# Allegro board FPGA.brd (continued)
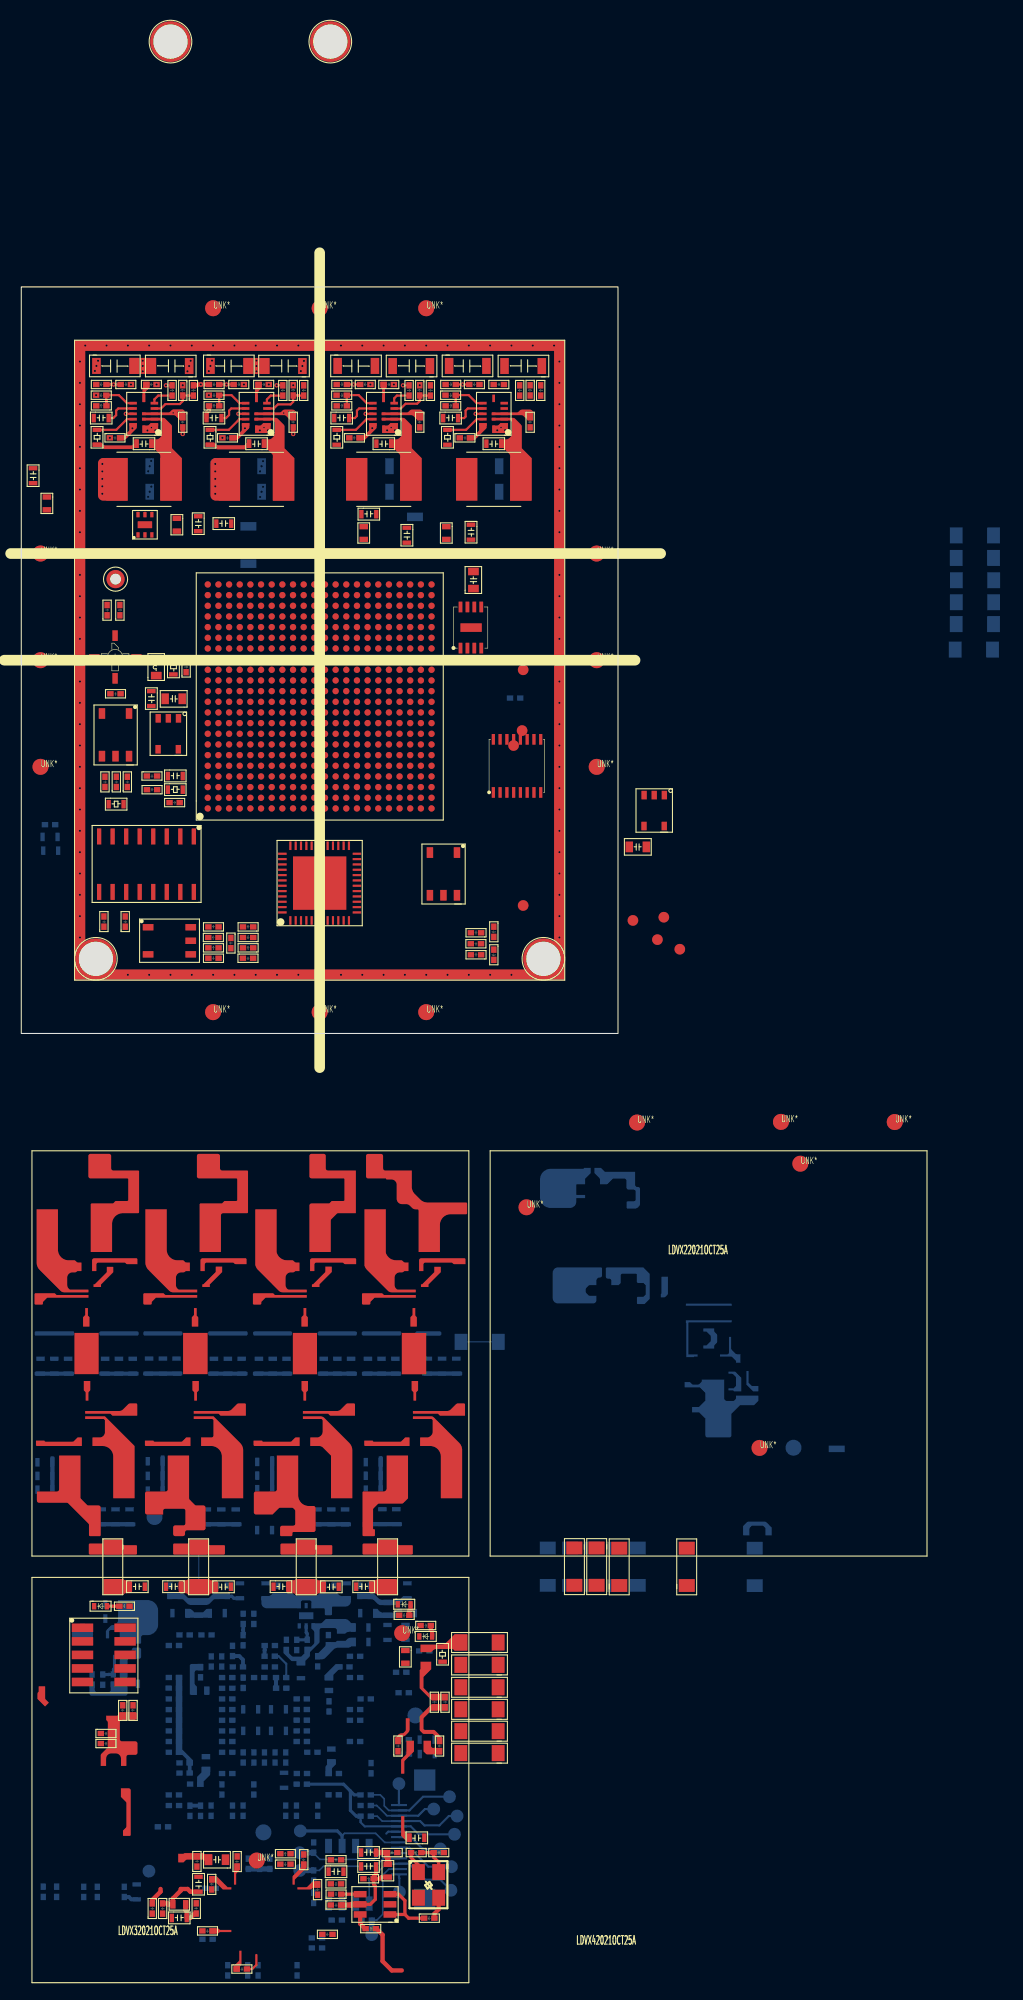
[diagram p0: board, top side]
## Placement (name value [footprint] x y rotation side) (continued)
NOREF#147  -  []  14.81 21.69 90 top
NOREF#148  -  []  35.82 -51.45 90 top
NOREF#149  -  []  15.33 21.26 90 top
NOREF#150  -  []  24.29 -72.85 0 top
NOREF#151  -  []  19.65 -61.82 90 top
NOREF#152  -  []  37.35 -83.34 0 top
NOREF#153  -  []  39.23 -83.34 90 top
NOREF#154  -  []  31.79 -77.69 0 top
NOREF#155  -  []  22.07 -72.47 0 top
NOREF#156  -  []  15.22 -79.76 0 top
NOREF#157  -  []  20.29 -56.87 0 top
NOREF#158  -  []  43.05 42.76 0 top
NOREF#159  -  []  13.79 60.32 90 top
NOREF#160  -  []  17.95 -74.46 90 top
NOREF#161  -  []  34.82 59.68 90 top
NOREF#162  -  []  33.48 -46.1 90 top
NOREF#163  -  []  22.07 -69.46 0 top
NOREF#164  -  []  37.86 58.71 0 top
NOREF#165  -  []  28.47 -61.8 90 top
NOREF#166  -  []  29.27 58.11 0 top
NOREF#167  -  []  13.45 21.26 0 top
NOREF#168  -  []  9.91 -82.06 0 top
NOREF#169  -  []  15.38 -69.99 0 top
NOREF#170  -  []  28.03 -85.27 90 top
NOREF#171  -  []  23.73 -78.79 90 top
NOREF#172  -  []  39.08 -31.99 0 top
NOREF#173  -  []  33.48 -46.1 0 top
NOREF#174  -  []  6.18 -53.93 90 top
NOREF#175  -  []  11.77 -40.52 0 top
NOREF#176  -  []  5.89 58.3 0 top
NOREF#177  -  []  30.42 -55 0 top
NOREF#178  -  []  18.88 57.3 90 top
NOREF#179  -  []  9.78 31.46 90 top
NOREF#180  -  []  25.99 -68.82 90 top
NOREF#181  -  []  26.93 -61.78 90 top
NOREF#182  -  []  18.38 -67.56 0 top
NOREF#183  -  []  30.9 -53.95 90 top
NOREF#184  -  []  30.47 -82.1 90 top
NOREF#185  -  []  43.87 60.46 90 top
NOREF#186  -  []  17.96 -53.19 0 top
NOREF#187  -  []  21.29 -54.87 0 top
NOREF#188  -  []  37.29 -65 0 top
NOREF#189  -  []  33.22 54.89 90 top
NOREF#190  -  []  23.82 7.83 90 top
NOREF#191  -  []  22.95 -78.79 0 top
NOREF#192  -  []  26.12 -78.4 0 top
NOREF#193  -  []  24.86 -60.78 90 top
NOREF#194  -  []  18.96 8.61 90 top
NOREF#195  -  []  35 61.77 0 top
NOREF#196  -  []  11.79 -64 0 top
NOREF#197  -  []  21.83 -77.83 0 top
NOREF#198  -  []  10.43 -80.47 0 top
NOREF#199  -  []  17 -44.52 90 top
NOREF#200  -  []  17.77 54.5 90 top
NOREF#201  -  []  21.94 8.82 0 top
NOREF#202  -  []  30.74 59.68 0 top
NOREF#203  -  []  11.8 33.8 0 top
NOREF#204  -  []  43.87 61.24 0 top
NOREF#205  -  []  10.11 26 90 top
NOREF#206  -  []  35.58 -54.75 90 top
NOREF#207  -  []  45.06 59.68 90 top
NOREF#208  -  []  20.44 -43.14 90 top
NOREF#209  -  []  32.12 -32 90 top
NOREF#210  -  []  6.56 59.46 0 top
NOREF#211  -  []  11.77 -41.89 0 top
NOREF#212  -  []  29.13 59.46 0 top
NOREF#213  -  []  41.09 47.72 90 top
NOREF#214  -  []  33.55 61.24 0 top
NOREF#215  -  []  40.5 -67.96 90 top
NOREF#216  -  []  31.5 17.6 0 top
NOREF#217  -  []  28.03 -85.27 0 top
NOREF#218  -  []  18.38 -65.56 0 top
NOREF#219  -  []  8.44 59.46 90 top
NOREF#220  -  []  34.78 -46.1 0 top
NOREF#221  -  []  33.26 -73.56 90 top
NOREF#222  -  []  33.73 -84.32 90 top
NOREF#223  -  []  10.75 33.71 0 top
NOREF#224  -  []  25.39 -68.99 90 top
NOREF#225  -  []  19.31 -52.26 90 top
NOREF#226  -  []  33.39 -77.2 90 top
NOREF#227  -  []  10.34 -54.87 0 top
NOREF#228  -  []  20.79 -54.75 90 top
NOREF#229  -  []  17.67 -28.8 0 top
NOREF#230  -  []  33.39 -78.5 90 top
NOREF#231  -  []  15.63 -82.05 90 top
NOREF#232  -  []  25.05 -61.78 0 top
NOREF#233  -  []  19.17 -72.85 90 top
NOREF#234  -  []  11.58 -31.99 90 top
NOREF#235  -  []  38 -77.19 90 top
NOREF#236  -  []  8.1 21.91 0 top
NOREF#237  -  []  11.78 -62.78 90 top
NOREF#238  -  []  -0.18 -43.18 0 top
NOREF#239  -  []  20.77 -45.33 90 top
NOREF#240  -  []  48.12 58.71 90 top
NOREF#241  -  []  16.43 -58.95 0 top
NOREF#242  -  []  29.75 -51.59 90 top
NOREF#243  -  []  1.53 -80.46 0 top
NOREF#244  -  []  36.23 -54.75 90 top
NOREF#245  -  []  48.01 60.32 0 top
NOREF#246  -  []  4.66 -80.46 90 top
NOREF#247  -  []  29.84 63.4 0 top
NOREF#248  -  []  20.26 -61.56 90 top
NOREF#249  -  []  22.52 -51.45 90 top
NOREF#250  -  []  18.94 -53.19 0 top
NOREF#251  -  []  20.85 -88.78 90 top
NOREF#252  -  []  29.38 -59.78 0 top
NOREF#253  -  []  18.98 -86.9 0 top
NOREF#254  -  []  12.22 -54.87 90 top
NOREF#255  -  []  27.39 -42.92 0 top
NOREF#256  -  []  18.38 -64.56 0 top
NOREF#257  -  []  33.49 -59.06 90 top
NOREF#258  -  []  25.89 58.71 90 top
NOREF#259  -  []  15.62 58.71 0 top
NOREF#260  -  []  11.9 9.96 0 top
NOREF#261  -  []  28.47 -61.8 0 top
NOREF#262  -  []  32.43 -66.35 0 top
NOREF#263  -  []  20.27 -32 0 top
NOREF#264  -  []  20.33 6.66 0 top
NOREF#265  -  []  19.92 8.5 0 top
NOREF#266  -  []  2 51.3 0 top
NOREF#267  -  []  23.82 8.82 90 top
NOREF#268  -  []  28.86 -64.78 90 top
NOREF#269  -  []  38.72 -68.39 0 top
NOREF#270  -  []  15.73 -79.8 0 top
NOREF#271  -  []  11.9 46.8 90 top
NOREF#272  -  []  35.65 -53.75 0 top
NOREF#273  -  []  32.08 -81.87 90 top
NOREF#274  -  []  27.26 -71.56 90 top
NOREF#275  -  []  3.98 -31.99 90 top
NOREF#276  -  []  18.98 -32 0 top
NOREF#277  -  []  39.52 -75.01 90 top
NOREF#278  -  []  21.27 54.89 90 top
NOREF#279  -  []  2.68 -31.99 90 top
NOREF#280  -  []  28.59 -82.1 0 top
NOREF#281  -  []  39.94 -58.19 0 top
NOREF#282  -  []  23.17 -54.87 90 top
NOREF#283  -  []  23.63 -46.97 90 top
NOREF#284  -  []  64.05 22.5 90 top
NOREF#285  -  []  41.5 52.4 90 top
NOREF#286  -  []  9.26 -82.06 90 top
NOREF#287  -  []  40.89 12.96 90 top
NOREF#288  -  []  7.66 40.63 0 top
NOREF#289  -  []  38.35 12.96 0 top
NOREF#290  -  []  33.86 -63.78 90 top
NOREF#291  -  []  16.78 -67.78 90 top
NOREF#292  -  []  5.1 18.03 90 top
NOREF#293  -  []  25.77 60.32 0 top
NOREF#294  -  []  33.83 -42.37 90 top
NOREF#295  -  []  23.93 -63.77 90 top
NOREF#296  -  []  40.69 55.46 0 top
NOREF#297  -  []  19.2 54 0 top
NOREF#298  -  []  42.84 59.68 90 top
NOREF#299  -  []  43.33 6.21 0 top
NOREF#300  -  []  8.44 38.75 90 top
NOREF#301  -  []  16.65 -59.82 90 top
NOREF#302  -  []  28.7 -70.1 0 top
NOREF#303  -  []  60.34 19.45 90 top
NOREF#304  -  []  21.73 -63.78 0 top
NOREF#305  -  []  19.2 50 90 top
NOREF#306  -  []  40.3 63.4 0 top
NOREF#307  -  []  26.81 -85.19 90 top
NOREF#308  -  []  23.93 -65.79 90 top
NOREF#309  -  []  13.48 -51.47 0 top
NOREF#310  -  []  7.9 31.46 0 top
NOREF#311  -  []  39.49 58.11 0 top
NOREF#312  -  []  28.86 -66.78 90 top
NOREF#313  -  []  31.65 -79.64 0 top
NOREF#314  -  []  41.09 57.3 90 top
NOREF#315  -  []  25.13 56.37 90 top
NOREF#316  -  []  16.07 -74.46 0 top
NOREF#317  -  []  32.68 -59.06 0 top
NOREF#318  -  []  7 -66.97 0 top
NOREF#319  -  []  18.69 8.82 0 top
NOREF#320  -  []  39.08 -31.99 90 top
NOREF#321  -  []  14.38 -69.56 0 top
NOREF#322  -  []  13.38 -58.56 0 top
NOREF#323  -  []  25.21 -66.94 0 top
NOREF#324  -  []  17.86 -56.78 90 top
NOREF#325  -  []  11.77 -61.77 90 top
NOREF#326  -  []  31.98 -66.78 0 top
NOREF#327  -  []  10.3 49.2 90 top
NOREF#328  -  []  3.98 -31.99 0 top
NOREF#329  -  []  26.98 -65.78 0 top
NOREF#330  -  []  33.4 -32 90 top
NOREF#331  -  []  30.55 -82.38 0 top
NOREF#332  -  []  32.94 59.68 0 top
NOREF#333  -  []  21.36 -76.85 90 top
NOREF#334  -  []  12.64 -61.38 90 top
NOREF#335  -  []  23.18 -30.4 90 top
NOREF#336  -  []  16.43 -75.42 90 top
NOREF#337  -  []  10.56 -42.92 0 top
NOREF#338  -  []  27.53 -63.11 0 top
NOREF#339  -  []  31.98 -64.78 0 top
NOREF#340  -  []  29.07 -56.3 0 top
NOREF#341  -  []  22.21 6.66 90 top
NOREF#342  -  []  41.23 59.46 90 top
NOREF#343  -  []  46.47 9.55 90 top
NOREF#344  -  []  50.09 58.71 90 top
NOREF#345  -  []  25.29 -72.85 0 top
NOREF#346  -  []  30.32 55.46 0 top
NOREF#347  -  []  22.52 -49.85 0 top
NOREF#348  -  []  26.81 -85.19 0 top
NOREF#349  -  []  10.09 -51.47 0 top
NOREF#350  -  []  13.52 -70.04 0 top
NOREF#351  -  []  14.76 56.37 0 top
NOREF#352  -  []  32.17 -46.1 90 top
NOREF#353  -  []  8.17 59.68 0 top
NOREF#354  -  []  19.8 47.4 90 top
NOREF#355  -  []  23.85 -77.3 0 top
NOREF#356  -  []  11.79 -65 0 top
NOREF#357  -  []  23.07 -69.46 0 top
NOREF#358  -  []  14.94 32.78 0 top
NOREF#359  -  []  24.07 -69.46 0 top
NOREF#360  -  []  8.88 -66.03 90 top
NOREF#361  -  []  2.78 -80.46 0 top
NOREF#362  -  []  32.23 -41.56 0 top
NOREF#363  -  []  13.37 -41.89 90 top
NOREF#364  -  []  43.18 59.68 0 top
NOREF#365  -  []  27.99 -49.71 0 top
NOREF#366  -  []  37.72 20.67 0 top
NOREF#367  -  []  19.76 -88.11 0 top
NOREF#368  -  []  0 70 0 top
NOREF#369  -  []  11.04 -60.57 0 top
NOREF#370  -  []  20.27 -32 90 top
NOREF#371  -  []  16.58 -55.04 0 top
NOREF#372  -  []  18.75 -53.19 90 top
NOREF#373  -  []  13.65 24.55 0 top
NOREF#374  -  []  47.37 56.37 90 top
NOREF#375  -  []  19.71 -44.52 90 top
NOREF#376  -  []  27.41 -79.33 0 top
NOREF#377  -  []  24.25 -69.22 90 top
NOREF#378  -  []  4 4 90 top
NOREF#379  -  []  33.34 47.72 90 top
NOREF#380  -  []  33.53 -79.64 90 top
NOREF#381  -  []  34.95 -83.53 90 top
NOREF#382  -  []  41.54 -59 90 top
NOREF#383  -  []  8.08 37.15 90 top
NOREF#384  -  []  26.98 -66.78 0 top
NOREF#385  -  []  43.55 54.89 90 top
NOREF#386  -  []  34 -76.9 0 top
NOREF#387  -  []  33.35 -65.82 0 top
NOREF#388  -  []  8.88 -66.97 90 top
NOREF#389  -  []  13.65 23.27 0 top
NOREF#390  -  []  18.11 55.1 90 top
NOREF#391  -  []  14.34 -51.59 90 top
NOREF#392  -  []  15.25 22.46 90 top
NOREF#393  -  []  22.37 -59.55 0 top
NOREF#394  -  []  26.66 -62.15 90 top
NOREF#395  -  []  33.26 -74.56 90 top
NOREF#396  -  []  17.14 59.46 0 top
NOREF#397  -  []  20.5 44.2 90 top
NOREF#398  -  []  33.97 -58.56 0 top
NOREF#399  -  []  20.07 -59.48 0 top
NOREF#400  -  []  18.18 -52.29 0 top
NOREF#401  -  []  25.38 -71.56 0 top
NOREF#402  -  []  4 66 0 top
NOREF#403  -  []  34.82 -68.39 0 top
NOREF#404  -  []  10.05 59.68 90 top
NOREF#405  -  []  35.6 -77.7 90 top
NOREF#406  -  []  24.7 -49.71 0 top
NOREF#407  -  []  15.98 -56.78 0 top
NOREF#408  -  []  8.44 -42.92 0 top
NOREF#409  -  []  5 65 0 top
NOREF#410  -  []  23.72 -49.71 0 top
NOREF#411  -  []  10.05 -31.99 90 top
NOREF#412  -  []  15.47 35.17 90 top
NOREF#413  -  []  30.2 -81.87 0 top
NOREF#414  -  []  14.98 -60.78 0 top
NOREF#415  -  []  45.21 6.21 90 top
NOREF#416  -  []  8.08 37.15 0 top
NOREF#417  -  []  21.81 60.46 90 top
NOREF#418  -  []  14.94 -85.32 90 top
NOREF#419  -  []  27.01 -58.91 90 top
NOREF#420  -  []  13.37 -40.52 90 top
NOREF#421  -  []  21.68 -77.19 90 top
NOREF#422  -  []  27.65 60.32 90 top
NOREF#423  -  []  14.61 -83.62 90 top
NOREF#424  -  []  30.63 -41.88 0 top
NOREF#425  -  []  20.85 -86.9 0 top
NOREF#426  -  []  10.26 22.01 90 top
NOREF#427  -  []  21.8 8.5 90 top
NOREF#428  -  []  26.98 -64.78 0 top
NOREF#429  -  []  46.47 7.4 90 top
NOREF#430  -  []  11.78 -63.78 90 top
NOREF#431  -  []  9.77 -63.45 0 top
NOREF#432  -  []  39.48 48.52 0 top
NOREF#433  -  []  38.89 -65.81 90 top
NOREF#434  -  []  28.86 -62.78 90 top
NOREF#435  -  []  25.73 -78.28 90 top
NOREF#436  -  []  16.78 -62.78 90 top
NOREF#437  -  []  20.26 -62.56 90 top
NOREF#438  -  []  13.37 -43.28 90 top
NOREF#439  -  []  6.18 -53.93 0 top
NOREF#440  -  []  28.39 -69.77 90 top
NOREF#441  -  []  34.78 -46.1 90 top
NOREF#442  -  []  26.98 -62.78 0 top
NOREF#443  -  []  14.16 -31.99 0 top
NOREF#444  -  []  17.64 -59.82 90 top
NOREF#445  -  []  19.31 -52.26 0 top
NOREF#446  -  []  21.1 61.8 90 top
NOREF#447  -  []  3.41 -80.46 90 top
NOREF#448  -  []  14.35 -73.74 0 top
NOREF#449  -  []  19.72 -53.19 90 top
NOREF#450  -  []  6.9 -62.16 0 top
NOREF#451  -  []  41.5 54 0 top
NOREF#452  -  []  11.79 -82.06 90 top
NOREF#453  -  []  37.35 -77.97 90 top
NOREF#454  -  []  43.33 8.27 0 top
NOREF#455  -  []  15.26 -58.56 90 top
NOREF#456  -  []  21.94 7.83 0 top
NOREF#457  -  []  33.86 -64.78 90 top
NOREF#458  -  []  15.95 -79.21 0 top
NOREF#459  -  []  18.55 -82.02 90 top
NOREF#460  -  []  25.86 -57.78 90 top
NOREF#461  -  []  27.53 -63.89 90 top
NOREF#462  -  []  6.11 -82.06 0 top
NOREF#463  -  []  17.9 63.4 0 top
NOREF#464  -  []  34.7 -32 90 top
NOREF#465  -  []  31.27 -85.64 90 top
NOREF#466  -  []  23.57 -51.47 0 top
NOREF#467  -  []  48.22 58.71 0 top
NOREF#468  -  []  19.38 -60.55 0 top
NOREF#469  -  []  22.17 -54.87 90 top
NOREF#470  -  []  28.3 -52.29 90 top
NOREF#471  -  []  22.03 -46.97 0 top
NOREF#472  -  []  27.43 -56.33 0 top
NOREF#473  -  []  16.93 -70.81 0 top
NOREF#474  -  []  27.29 -72.85 0 top
NOREF#475  -  []  17.5 58.71 90 top
NOREF#476  -  []  26.12 -78.4 90 top
NOREF#477  -  []  27.97 -32 90 top
NOREF#478  -  []  12.62 -63.45 90 top
NOREF#479  -  []  38.23 -64.28 0 top
NOREF#480  -  []  38.89 -55.9 90 top
NOREF#481  -  []  37.92 -74.2 0 top
NOREF#482  -  []  28.3 -52.29 0 top
NOREF#483  -  []  25.32 -61.56 90 top
NOREF#484  -  []  20.44 -40.58 0 top
NOREF#485  -  []  11.79 -66.78 90 top
NOREF#486  -  []  33.04 61.8 90 top
NOREF#487  -  []  18.75 57.68 0 top
NOREF#488  -  []  7.32 22.01 0 top
NOREF#489  -  []  31.01 59.46 90 top
NOREF#490  -  []  8.44 -44.52 90 top
NOREF#491  -  []  25.17 -52.28 90 top
NOREF#492  -  []  32.62 57.68 90 top
NOREF#493  -  []  21.95 -59.48 90 top
NOREF#494  -  []  15.9 7.42 90 top
NOREF#495  -  []  31.85 -84.32 0 top
NOREF#496  -  []  17.83 -78.97 90 top
NOREF#497  -  []  22.95 -69.46 90 top
NOREF#498  -  []  28.18 -57.3 90 top
NOREF#499  -  []  9.99 -60.55 90 top
NOREF#500  -  []  11.77 -60.99 0 top
NOREF#501  -  []  20.9 -75.31 0 top
NOREF#502  -  []  13.27 -53.95 90 top
NOREF#503  -  []  21.83 -90.38 0 top
NOREF#504  -  []  22.33 -64.98 0 top
NOREF#505  -  []  28.74 -78.19 0 top
NOREF#506  -  []  -0.18 -43.18 90 top
NOREF#507  -  []  7.14 -42.92 0 top
NOREF#508  -  []  17.08 8.61 0 top
NOREF#509  -  []  33.21 -68.23 90 top
NOREF#510  -  []  15.35 32.9 0 top
NOREF#511  -  []  16.86 -60.78 90 top
NOREF#512  -  []  14.2 49.3 0 top
NOREF#513  -  []  28.77 -51.59 90 top
NOREF#514  -  []  11.78 -63 0 top
NOREF#515  -  []  3.6 50.5 90 top
NOREF#516  -  []  25.95 -69.46 90 top
NOREF#517  -  []  8.75 -31.99 90 top
NOREF#518  -  []  35.82 -49.85 0 top
NOREF#519  -  []  31.2 50 90 top
NOREF#520  -  []  15.22 -80.54 90 top
NOREF#521  -  []  37.73 45.09 90 top
NOREF#522  -  []  36.59 47.52 90 top
NOREF#523  -  []  14.41 -62.02 0 top
NOREF#524  -  []  29.2 55.1 0 top
NOREF#525  -  []  33.4 -32 0 top
NOREF#526  -  []  32.17 -46.1 0 top
NOREF#527  -  []  13.27 -52.35 0 top
NOREF#528  -  []  27.05 -83.58 0 top
NOREF#529  -  []  20.44 -41.86 90 top
NOREF#530  -  []  47.37 56.37 0 top
NOREF#531  -  []  14 93 0 top
NOREF#532  -  []  9.42 22.01 0 top
NOREF#533  -  []  32.36 -49.71 0 top
NOREF#534  -  []  32.12 -32 0 top
NOREF#535  -  []  40.11 -64.28 90 top
NOREF#536  -  []  27.97 -32 0 top
NOREF#537  -  []  35.47 -77.97 0 top
NOREF#538  -  []  15.25 23.74 90 top
NOREF#539  -  []  30.63 -40.61 0 top
NOREF#540  -  []  29.5 -70.1 90 top
NOREF#541  -  []  16.53 -84.53 0 top
NOREF#542  -  []  41.11 -64.28 90 top
NOREF#543  -  []  20.63 59.68 90 top
NOREF#544  -  []  17.77 54.5 0 top
NOREF#545  -  []  28.19 -81.21 90 top
NOREF#546  -  []  24.48 -30.4 90 top
NOREF#547  -  []  15.29 33.36 90 top
NOREF#548  -  []  10.47 59.68 0 top
NOREF#549  -  []  24.95 -69.46 90 top
NOREF#550  -  []  31.38 -73.56 0 top
NOREF#551  -  []  34.86 -62.78 90 top
NOREF#552  -  []  15.73 -80.58 90 top
NOREF#553  -  []  25.13 56.37 0 top
NOREF#554  -  []  13.29 34.61 0 top
NOREF#555  -  []  21.73 -63.78 90 top
NOREF#556  -  []  1.42 -41.89 0 top
NOREF#557  -  []  22.95 59.68 90 top
NOREF#558  -  []  12.49 -73.03 0 top
NOREF#559  -  []  43.4 47.8 90 top
NOREF#560  -  []  11.69 -52.28 90 top
NOREF#561  -  []  31.2 52.4 90 top
NOREF#562  -  []  40.4 55.1 90 top
NOREF#563  -  []  11.9 49.2 90 top
NOREF#564  -  []  13.56 -49.71 0 top
NOREF#565  -  []  5 5 90 top
NOREF#566  -  []  27.39 -44.52 90 top
NOREF#567  -  []  10.74 -63.45 0 top
NOREF#568  -  []  31.81 49.1 0 top
NOREF#569  -  []  23.85 -78.28 0 top
NOREF#570  -  []  11.79 -64.78 90 top
NOREF#571  -  []  7.99 -82.06 90 top
NOREF#572  -  []  60.95 25.7 0 top
NOREF#573  -  []  29.25 -28.8 0 top
NOREF#574  -  []  33.14 -51.59 90 top
NOREF#575  -  []  30.34 -79 90 top
NOREF#576  -  []  16.43 -60.83 90 top
NOREF#577  -  []  8.14 9.55 90 top
NOREF#578  -  []  5.89 56.7 90 top
NOREF#579  -  []  34.04 -57.65 90 top
NOREF#580  -  []  21.64 -88.11 90 top
NOREF#581  -  []  30.47 -80.12 90 top
NOREF#582  -  []  59.4 22.35 0 top
NOREF#583  -  []  6.7 58.11 0 top
NOREF#584  -  []  17.05 -52.34 0 top
NOREF#585  -  []  14.51 -49.71 0 top
NOREF#586  -  []  31.39 -49.71 0 top
NOREF#587  -  []  36.88 -56.72 0 top
NOREF#588  -  []  39.51 -2.9 90 top
NOREF#589  -  []  6.18 -55.27 90 top
NOREF#590  -  []  48.7 61.77 90 top
NOREF#591  -  []  1.42 -40.61 0 top
NOREF#592  -  []  12.88 -31.99 90 top
NOREF#593  -  []  18.2 48.21 0 top
NOREF#594  -  []  20.57 6.86 90 top
NOREF#595  -  []  39.52 60.32 90 top
NOREF#596  -  []  12.88 -31.99 0 top
NOREF#597  -  []  31.74 48.52 0 top
NOREF#598  -  []  18.38 -61.56 0 top
NOREF#599  -  []  36.59 -60.28 90 top
NOREF#600  -  []  32.98 -62.78 0 top
NOREF#601  -  []  36.87 -54.94 90 top
NOREF#602  -  []  29.97 -44.52 90 top
NOREF#603  -  []  13.2 23.75 90 top
NOREF#604  -  []  30.01 55.1 90 top
NOREF#605  -  []  23.71 -77.83 90 top
NOREF#606  -  []  21.26 -60.55 90 top
NOREF#607  -  []  32.12 -56.26 0 top
NOREF#608  -  []  28.6 -77.86 0 top
NOREF#609  -  []  13.12 54.1 90 top
NOREF#610  -  []  25.49 -90.38 90 top
NOREF#611  -  []  32.68 -55.29 0 top
NOREF#612  -  []  11.79 -66 0 top
NOREF#613  -  []  34.04 -56.85 0 top
NOREF#614  -  []  19.2 51.6 0 top
NOREF#615  -  []  38.2 61.77 90 top
NOREF#616  -  []  17.28 60.32 90 top
NOREF#617  -  []  31.2 51.6 0 top
NOREF#618  -  []  49.88 60.32 90 top
NOREF#619  -  []  23.95 -69.46 90 top
NOREF#620  -  []  30.95 -56.3 90 top
NOREF#621  -  []  21.73 -65.8 0 top
NOREF#622  -  []  11.77 -43.28 0 top
NOREF#623  -  []  20.63 57.68 90 top
NOREF#624  -  []  16.51 20.1 0 top
NOREF#625  -  []  7 -66.03 0 top
NOREF#626  -  []  3.02 -41.89 90 top
NOREF#627  -  []  26.98 -63.78 0 top
NOREF#628  -  []  25.39 -68.21 0 top
NOREF#629  -  []  8.75 -31.99 0 top
NOREF#630  -  []  22.17 -56.87 90 top
NOREF#631  -  []  32.65 -81.58 90 top
NOREF#632  -  []  14.03 -82.52 0 top
NOREF#633  -  []  41.5 50 90 top
NOREF#634  -  []  27.98 -58.91 90 top
NOREF#635  -  []  7.85 55.46 0 top
NOREF#636  -  []  33.07 -83.53 0 top
NOREF#637  -  []  30.48 -77.86 90 top
NOREF#638  -  []  29.86 -67.78 90 top
NOREF#639  -  []  14.52 -67.99 0 top
NOREF#640  -  []  25.86 -59.78 90 top
NOREF#641  -  []  30.29 -86.13 90 top
NOREF#642  -  []  22.17 -72.85 90 top
NOREF#643  -  []  7.36 11.43 90 top
NOREF#644  -  []  14.94 -84.54 0 top
NOREF#645  -  []  16.67 -82.02 0 top
NOREF#646  -  []  15.81 10.6 90 top
NOREF#647  -  []  16.78 -65 0 top
NOREF#648  -  []  24.25 -59.55 90 top
NOREF#649  -  []  35.65 -55.35 90 top
NOREF#650  -  []  17.83 -79.21 90 top
NOREF#651  -  []  33.55 60.46 90 top
NOREF#652  -  []  20.26 -64.56 90 top
NOREF#653  -  []  8.17 57.68 0 top
NOREF#654  -  []  3.5 18.84 0 top
NOREF#655  -  []  21.94 6.86 0 top
NOREF#656  -  []  44.59 9.55 0 top
NOREF#657  -  []  28.86 -63.78 90 top
NOREF#658  -  []  11.3 22.01 90 top
NOREF#659  -  []  34.95 -62.98 0 top
NOREF#660  -  []  56.86 18.12 0 top
NOREF#661  -  []  18.43 -73.42 90 top
NOREF#662  -  []  16.78 -62 0 top
NOREF#663  -  []  28.59 -80.12 0 top
NOREF#664  -  []  21.83 -90.38 90 top
NOREF#665  -  []  34.99 -54.94 0 top
NOREF#666  -  []  29.25 -30.4 90 top
NOREF#667  -  []  30.9 -52.35 0 top
NOREF#668  -  []  19.65 -61.82 0 top
NOREF#669  -  []  11.79 -65.78 90 top
NOREF#670  -  []  42.84 57.68 90 top
NOREF#671  -  []  12.35 59.68 90 top
NOREF#672  -  []  16.43 -75.42 0 top
NOREF#673  -  []  41.72 -77.97 90 top
NOREF#674  -  []  9.77 -62.16 90 top
NOREF#675  -  []  45.41 31.06 0 top
NOREF#676  -  []  15.63 -83.33 90 top
NOREF#677  -  []  40.6 -68.39 90 top
NOREF#678  -  []  18.41 -84.53 90 top
NOREF#679  -  []  15.4 60.32 0 top
NOREF#680  -  []  24.01 58.71 0 top
NOREF#681  -  []  11.32 23.75 0 top
NOREF#682  -  []  45.21 8.27 90 top
NOREF#683  -  []  22.98 -60.78 0 top
NOREF#684  -  []  29.38 -59.78 90 top
NOREF#685  -  []  39.84 -77.97 0 top
NOREF#686  -  []  14.76 56.37 90 top
NOREF#687  -  []  16.55 30 90 top
NOREF#688  -  []  25.48 -51.59 90 top
NOREF#689  -  []  27.65 -57.83 0 top
NOREF#690  -  []  33.86 -60.78 90 top
NOREF#691  -  []  20.44 -40.58 90 top
NOREF#692  -  []  34.78 -58.56 90 top
NOREF#693  -  []  32.62 59.68 90 top
NOREF#694  -  []  13.62 58.71 0 top
NOREF#695  -  []  14.16 -31.99 90 top
NOREF#696  -  []  33.22 54.89 0 top
NOREF#697  -  []  23.18 -28.8 0 top
NOREF#698  -  []  7 7 90 top
NOREF#699  -  []  30.12 -51.45 90 top
NOREF#700  -  []  9.87 -31.2 90 top
NOREF#701  -  []  30.87 57.3 90 top
NOREF#702  -  []  10.05 57.68 90 top
NOREF#703  -  []  13.64 -83.62 90 top
NOREF#704  -  []  41.8 48.61 0 top
NOREF#705  -  []  16.78 -65.78 90 top
NOREF#706  -  []  1.39 -31.99 0 top
NOREF#707  -  []  30.54 -28.8 0 top
NOREF#708  -  []  18.38 -62.56 0 top
NOREF#709  -  []  32.2 55.46 90 top
NOREF#710  -  []  17.64 -59.82 0 top
NOREF#711  -  []  20.26 -67.56 90 top
NOREF#712  -  []  12.03 -81.28 90 top
NOREF#713  -  []  26.3 -57.3 0 top
NOREF#714  -  []  21.89 -28.8 0 top
NOREF#715  -  []  16.65 -59.82 0 top
NOREF#716  -  []  38.44 -67.95 90 top
NOREF#717  -  []  24.25 -67.62 0 top
NOREF#718  -  []  21.07 -69.46 0 top
NOREF#719  -  []  19.71 -42.92 0 top
NOREF#720  -  []  9.73 55.46 90 top
NOREF#721  -  []  18.69 5.88 0 top
NOREF#722  -  []  39.59 55.1 0 top
NOREF#723  -  []  26.1 -58.91 0 top
NOREF#724  -  []  31.79 -76.39 0 top
NOREF#725  -  []  19.02 59.46 90 top
NOREF#726  -  []  16.23 -78.16 0 top
NOREF#727  -  []  43.55 54.89 0 top
NOREF#728  -  []  30.74 57.68 0 top
NOREF#729  -  []  21.81 61.24 0 top
NOREF#730  -  []  21.17 -72.85 90 top
NOREF#731  -  []  15.8 48.5 90 top
NOREF#732  -  []  18.43 -73.42 0 top
NOREF#733  -  []  11.65 -63.45 90 top
NOREF#734  -  []  19.29 -72.85 0 top
NOREF#735  -  []  36.97 -75.7 0 top
NOREF#736  -  []  18.18 -52.29 90 top
NOREF#737  -  []  28.21 -58.21 90 top
NOREF#738  -  []  5.16 16.74 90 top
NOREF#739  -  []  14.56 29.9 90 top
NOREF#740  -  []  25.49 -90.38 0 top
NOREF#741  -  []  33.35 -66.6 90 top
NOREF#742  -  []  7.38 -82.06 0 top
NOREF#743  -  []  17.26 -70.77 90 top
NOREF#744  -  []  27.98 -67.78 0 top
NOREF#745  -  []  33.98 -53.95 0 top
NOREF#746  -  []  15.29 -51.59 90 top
NOREF#747  -  []  8.78 -62.16 90 top
NOREF#748  -  []  31.38 -72.56 0 top
NOREF#749  -  []  25.73 -77.3 90 top
NOREF#750  -  []  14.3 -71.92 90 top
NOREF#751  -  []  30.63 -40.61 90 top
NOREF#752  -  []  26.91 -78.93 0 top
NOREF#753  -  []  12.61 32.2 90 top
NOREF#754  -  []  13.8 29.55 0 top
NOREF#755  -  []  6.18 -55.27 0 top
NOREF#756  -  []  17.73 -70.81 90 top
NOREF#757  -  []  20.57 5.88 90 top
NOREF#758  -  []  37.01 -55.9 0 top
NOREF#759  -  []  16.82 32.78 90 top
NOREF#760  -  []  23.44 -61.56 0 top
NOREF#761  -  []  24.48 -28.8 0 top
NOREF#762  -  []  45.5 61.77 0 top
NOREF#763  -  []  28.68 -44.52 90 top
NOREF#764  -  []  16.26 -69.56 90 top
NOREF#765  -  []  3.56 17.55 0 top
NOREF#766  -  []  16.2 49.41 0 top
NOREF#767  -  []  43.5 61.8 90 top
NOREF#768  -  []  36.83 -62.98 90 top
NOREF#769  -  []  20.29 -54.87 0 top
NOREF#770  -  []  33.86 -66.78 90 top
NOREF#771  -  []  14.41 -62.02 90 top
NOREF#772  -  []  17.29 -72.85 0 top
NOREF#773  -  []  7.2 63.4 0 top
NOREF#774  -  []  41.5 51.6 0 top
NOREF#775  -  []  38.5 10.6 90 top
NOREF#776  -  []  37.64 60.32 0 top
NOREF#777  -  []  33.26 -72.56 90 top
NOREF#778  -  []  10.4 61.8 90 top
NOREF#779  -  []  15.6 61.77 90 top
NOREF#780  -  []  26.23 61.77 90 top
NOREF#781  -  []  28.79 -78.93 90 top
NOREF#782  -  []  13.28 -74.91 90 top
NOREF#783  -  []  12 14.41 0 top
NOREF#784  -  []  20.26 -70.56 90 top
R49  100K  [R0402]  8 61.1 180 top
R50  DNP  [R0402]  10.3 61.1 180 top
R51  100K  [R0402]  18.58 61.1 180 top
R52  DNP  [R0402]  20.9 61.1 180 top
R53  100K  [R0402]  30.57 61.1 180 top
R54  DNP  [R0402]  32.77 61.1 180 top
R55  100K  [R0402]  40.79 61.1 180 top
R56  DNP  [R0402]  43.01 61.1 180 top
R57  100K  [R0402]  14.4 59.8 90 top
R58  787K  [R0402]  14.9 60.79 270 top
R59  DNP  [R0402]  16.4 59.8 90 top
R60  100K  [R0402]  24.79 59.8 90 top
R61  499K  [R0402]  25.27 60.79 270 top
R62  DNP  [R0402]  26.75 59.8 90 top
R63  100K  [R0402]  36.65 59.8 90 top
R64  180K  [R0402]  37.14 60.79 270 top
R65  DNP  [R0402]  38.64 59.8 90 top
R66  100K  [R0402]  47.02 59.8 90 top
R67  180K  [R0402]  47.51 60.79 270 top
R68  DNP  [R0402]  48.99 59.8 90 top
R69  40.2K  [R0402]  7.01 59.6 0 top
R70  40.2K  [R0402]  17.59 59.6 0 top
R71  40.2K  [R0402]  29.58 59.6 0 top
R72  40.2K  [R0402]  39.8 59.6 0 top
R75  294K  [R0402]  8 59.1 180 top
R76  182K  [R0402]  18.58 59.1 180 top
R77  127K  [R0402]  30.57 59.1 180 top
R78  40.2K  [R0402]  40.79 59.1 180 top
R86  0  [R0603]  6.7 56.7 270 top
R87  0  [R0603]  17.3 56.7 270 top
R88  0  [R0603]  29.2 56.7 270 top
R89  0  [R0603]  39.59 56.7 270 top
R115  0  [R1206]  51.1 -48.39 270 top
R116  0  [R1206]  53.19 -48.39 270 top
R117  0  [R1206]  56.92 -51.61 90 top
R120  DNP  [R1206]  63.25 -51.61 90 top
R129  0  [R1206]  7.78 -48.4 270 top
R130  0  [R1206]  15.84 -48.4 270 top
R131  0  [R1206]  25.93 -48.4 270 top
R132  0  [R1206]  33.57 -48.4 270 top
R133  1K  [R0402]  10.17 -53.45 180 top
R136  1K  [R0402]  35.44 -54.8 0 top
R137  1K  [R0402]  37.46 -55.76 0 top
R138  DNP  [R1206]  44.6 -56.3 180 top
R139  10K  [R0603]  39.94 -59 90 top
R141  0  [R1206]  44.6 -58.4 180 top
R142  49.9  [R0402]  9.5 39.2 90 top
R143  0  [R1206]  44.6 -60.5 180 top
R146  10K  [R0402]  39.01 -63.19 90 top
R147  0  [R1206]  44.6 -62.56 180 top
R148  39  [R0603]  13.87 35.17 270 top
R149  0  [R1206]  44.6 -64.61 180 top
R151  5.1K  [R0402]  39.5 -67.3 90 top
R152  DNP  [R1206]  44.6 -66.67 180 top
R161  10  [R0603]  13.65 22.46 0 top
R162  51  [R0603]  8.1 21.1 0 top
R166  1K  [R0402]  36.57 -77.05 0 top
R167  100  [R0402]  24.3 -77.16 0 top
R169  100  [R0402]  24.3 -78.14 0 top
R174  25  [R0402]  29.04 -79.98 0 top
R177  100  [R0402]  30.03 -80.45 180 top
R185  33  [R0402]  37.8 -83.2 0 top
R188  100  [R0402]  32.3 -84.18 0 top
R191  49.9  [R0402]  44.09 10.02 270 top
R192  33  [R0402]  43.16 9.69 180 top
R193  DNP  [R0402]  17.53 8.75 0 top
R194  33  [R0402]  21.77 9.25 180 top
R195  DNP  [R0402]  18.52 8.28 180 top
R196  33  [R0402]  21.77 8.28 180 top
R197  33  [R0402]  43.16 7.63 180 top
R198  49.9  [R0402]  44.09 7.87 270 top
R231  0  [R1206]  44.62 -29.71 180 bottom
R281  DNP  [R1206]  68.03 -51.61 90 bottom
R282  0  [R1206]  58.66 -48.39 270 bottom
R283  0  [R1206]  54.91 -51.61 90 bottom
R284  0  [R1206]  54.4 -48.39 270 bottom
R285  0  [R1206]  52.32 -48.39 270 bottom
R286  0  [R1206]  50.21 -48.39 270 bottom
R287  0  [R1206]  35.18 -48.41 270 bottom
R288  0  [R1206]  27.55 -48.41 270 bottom
R289  0  [R1206]  17.45 -48.41 270 bottom
R290  0  [R1206]  9.39 -48.41 270 bottom
R292  DNP  [R0402]  28.57 -55.21 90 bottom
R293  10K  [R0402]  22.07 -54.4 270 bottom
R294  0  [R0402]  21.07 -54.4 270 bottom
R295  DNP  [R0402]  21.07 -56.4 270 bottom
R296  0  [R1206]  91.09 45.89 180 bottom
R304  51.1K  [R0402]  27.08 -56.83 270 bottom
R305  40.2K  [R0402]  25.6 -57.82 90 bottom
R306  51.1K  [R0402]  24.63 -57.82 90 bottom
R307  DNP  [R0402]  23.81 -57.64 180 bottom
R308  DNP  [R0402]  15.72 33.87 90 top
R310  DNP  [R0402]  19.57 -58.39 90 bottom
R311  0  [R0402]  22.82 -58.13 0 bottom
R312  0  [R1206]  91.09 43.79 180 bottom
R313  0  [R0402]  19.83 -59.13 0 bottom
R314  DNP  [R0402]  23.89 -60.14 0 bottom
R315  51.1K  [R0402]  8.89 -60.08 270 bottom
R316  40.2K  [R0402]  7.39 -61.07 90 bottom
R317  51.1K  [R0402]  6.4 -61.07 90 bottom
R318  0  [R1206]  91.11 41.7 180 bottom
R319  0  [R0402]  24.88 -61.64 180 bottom
R325  0  [R1206]  91.1 39.64 180 bottom
R333  0  [R1206]  91.09 37.59 180 bottom
R351  10K  [R0402]  21.57 -71.38 90 bottom
R352  1K  [R0402]  31.83 -71.14 0 bottom
R353  1K  [R0402]  31.83 -72.14 0 bottom
R355  10K  [R0402]  15.57 -73.37 90 bottom
R356  1K  [R0402]  31.83 -73.14 0 bottom
R357  10K  [R0402]  27.19 -76.82 90 bottom
R362  10K  [R0402]  27.69 -78.46 270 bottom
R364  10  [R0603]  10.43 -81.28 90 bottom
R365  51  [R0402]  6.88 -80.97 90 bottom
R366  51  [R0402]  5.61 -80.97 90 bottom
R367  51  [R0402]  2.31 -79.99 270 bottom
R375  10K  [R0402]  32.9 -83.39 180 bottom
R376  0  [R1206]  91 35.2 180 bottom
T2  ETC1-1T-2TR  [SM-22]  10.75 29.9 180 top
T3  ETC1-1T-2TR  [SM-22]  41.53 16.86 180 top
T4  ETC1-1T-2TR  [SM-22]  12 10.6 270 top
TP3  T POINT R  [TP_THR_CIR_1D7_1D0]  8.85 42.6 0 top
TP11  T POINT R  [TP_SMD_CIR_2D0]  11.07 -54.68 180 bottom
TP12  T POINT R  [TP_SMD_CIR_2D0]  5.74 -56.32 180 bottom
TP13  T POINT S  [TP_SMD_CIR_1D2]  35.44 -70.34 180 bottom
TP14  T POINT S  [TP_SMD_CIR_1D2]  40.19 -71.57 180 bottom
TP15  T POINT S  [TP_SMD_CIR_1D2]  38.7 -72.72 180 bottom
TP16  T POINT S  [TP_SMD_CIR_1D2]  40.9 -73.37 180 bottom
TP17  T POINT S  [TP_SMD_CIR_1D2]  26.19 -74.77 180 bottom
TP18  T POINT S  [TP_SMD_CIR_1D2]  40.66 -75.08 180 bottom
TP19  T POINT S  [TP_SMD_CIR_1D2]  39.32 -76.46 180 bottom
TP20  T POINT S  [TP_SMD_CIR_1D2]  26.12 -76.81 180 bottom
TP21  T POINT S  [TP_SMD_CIR_1D2]  40.37 -78.13 180 bottom
TP22  T POINT S  [TP_SMD_CIR_1D2]  26.13 -78.48 180 bottom
TP23  T POINT S  [TP_SMD_CIR_1D2]  11.98 -78.54 180 bottom
TP24  T POINT S  [TP_SMD_CIR_1D2]  40.32 -80.34 180 bottom
TP25  T POINT S  [TP_SMD_CIR_1D2]  35.48 -80.5 180 bottom
TP26  T POINT S  [TP_SMD_CIR_1D2]  32.89 -84.5 180 bottom
